# Altium PCB PCB1.PcbDoc
Units mil, origin at the board's own origin, x right, y up, seen from the top; angles counter-clockwise.
Board outline 4195 x 4250 mil, 2 copper layers (Top Layer, Bottom Layer); 64 components, 61 nets, 198 pads, 4 vias.
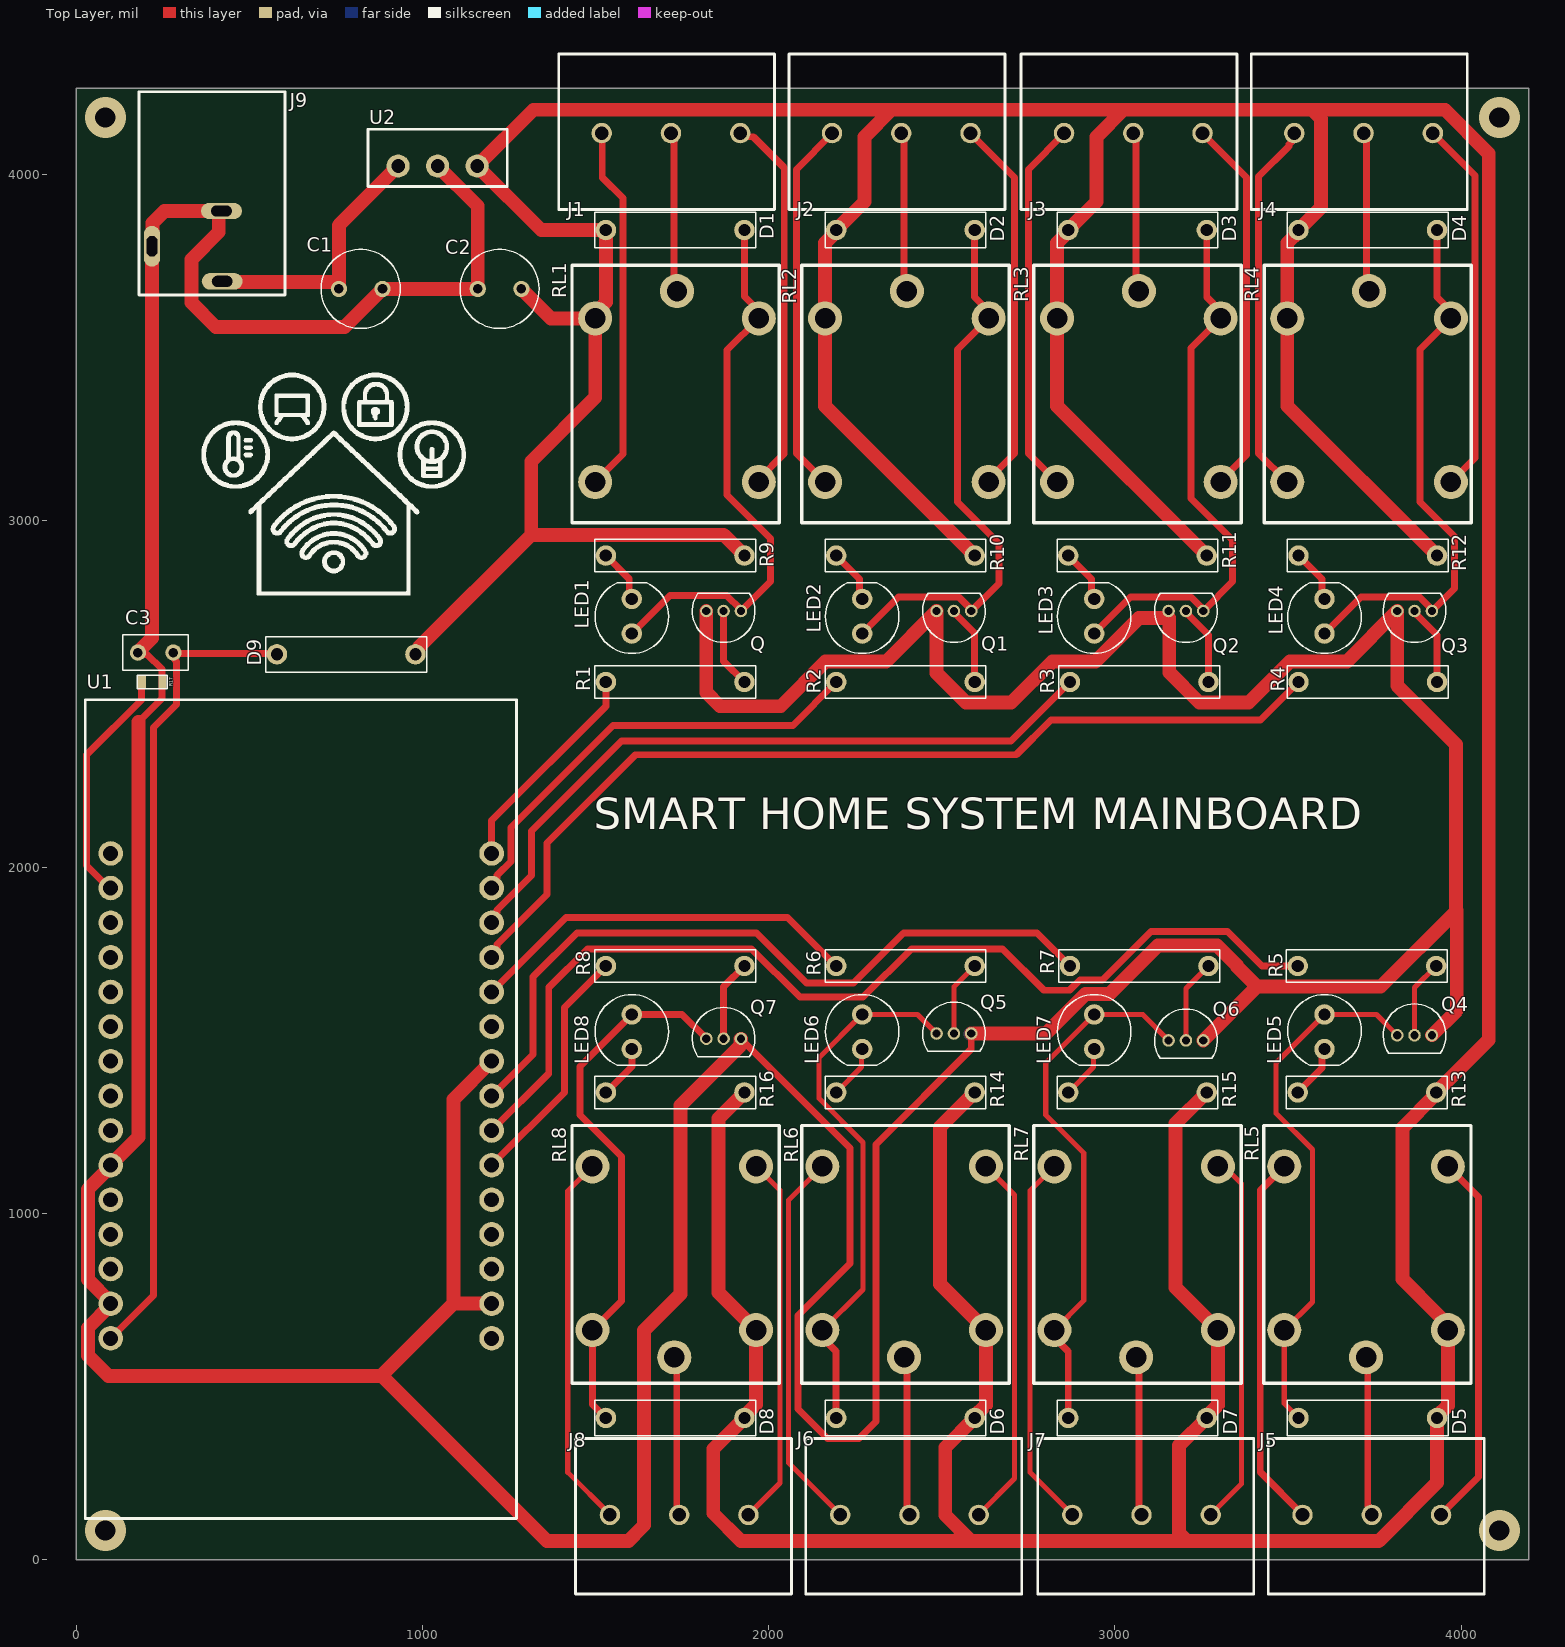
[diagram p0: Top Layer view]
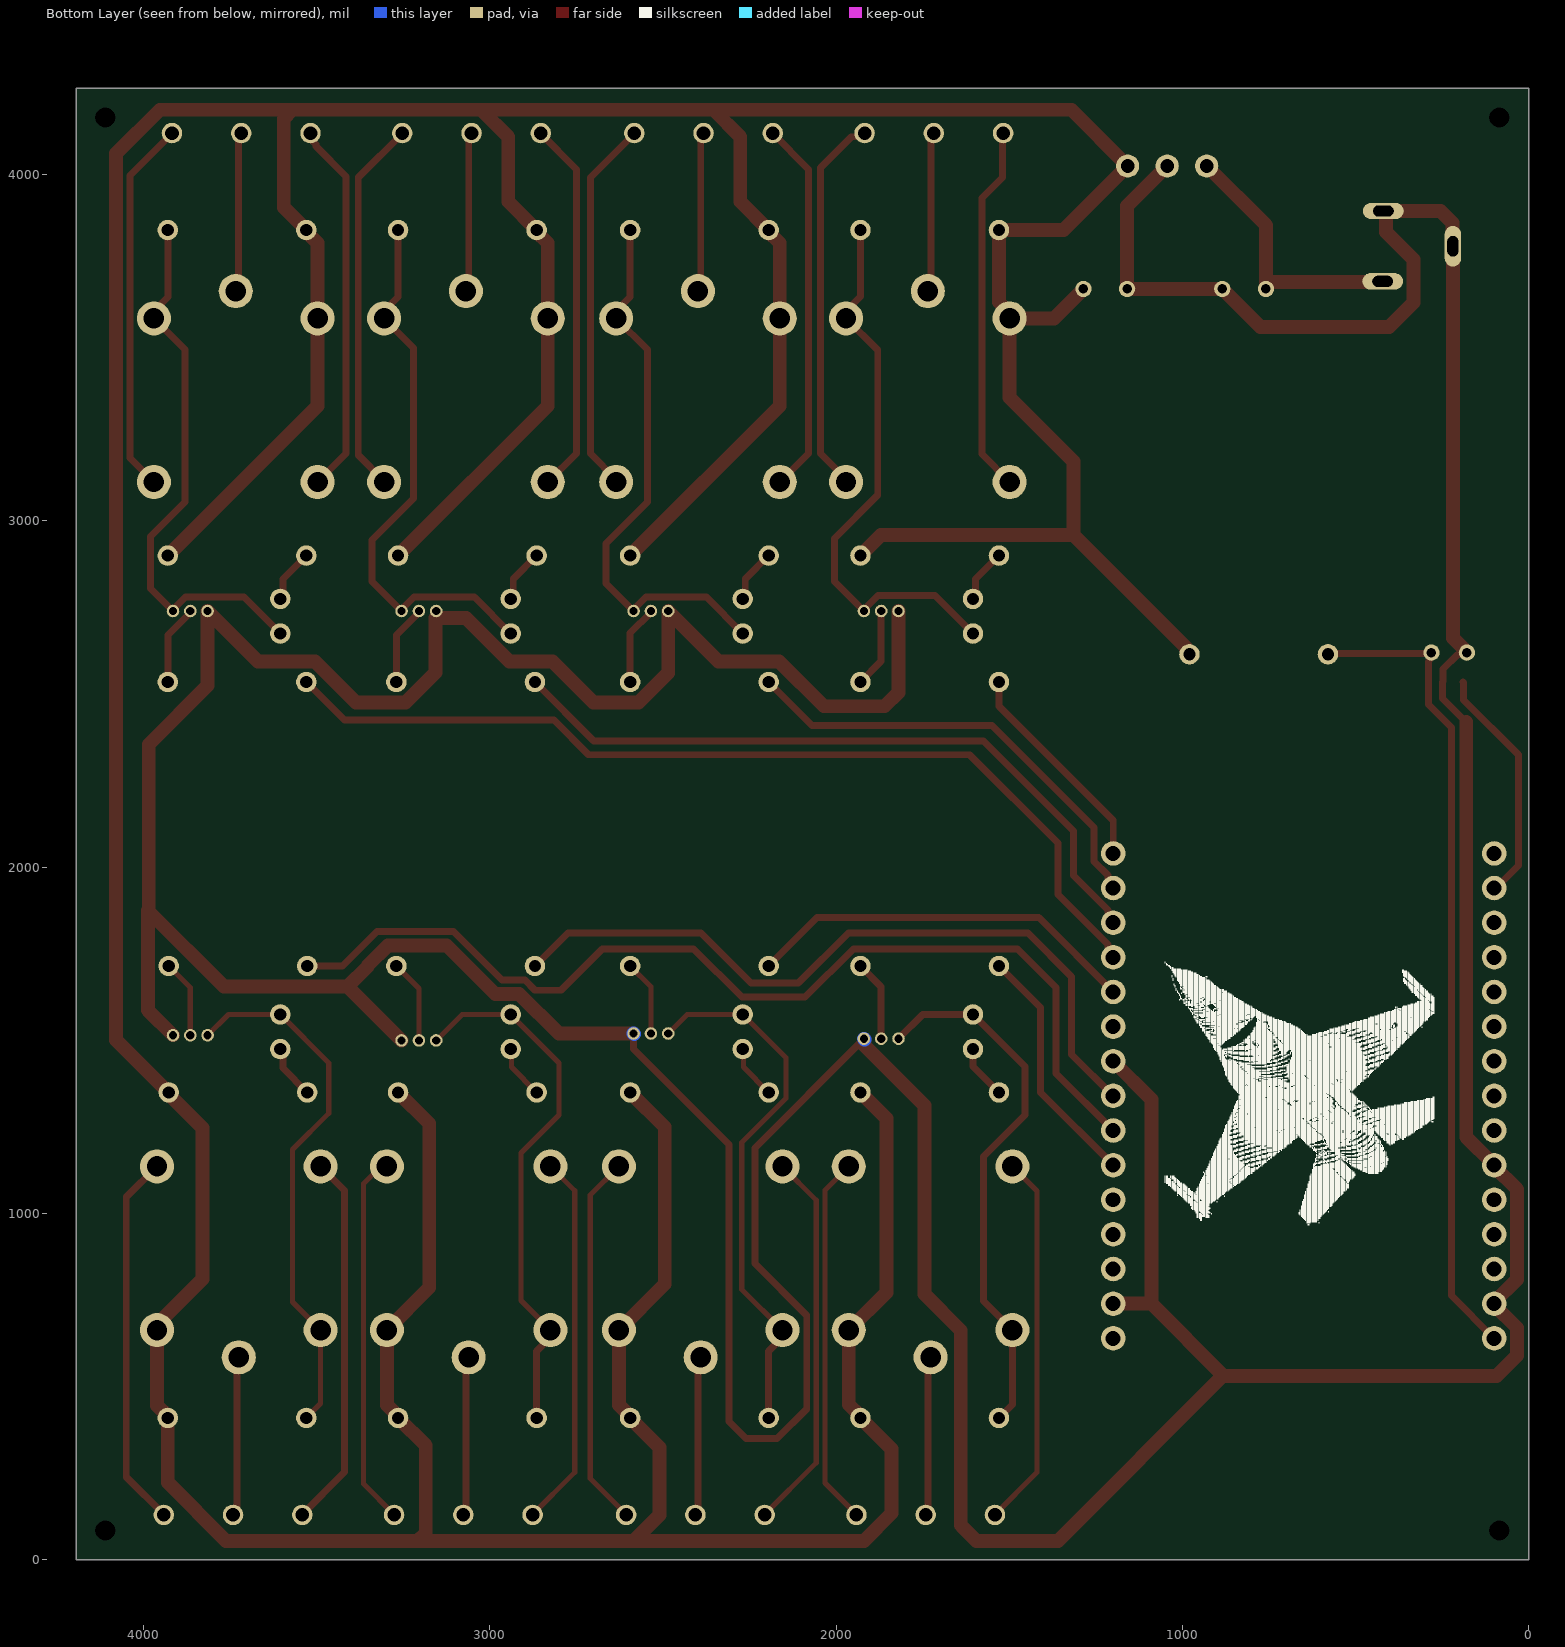
[diagram p1: Bottom Layer view, seen from below]
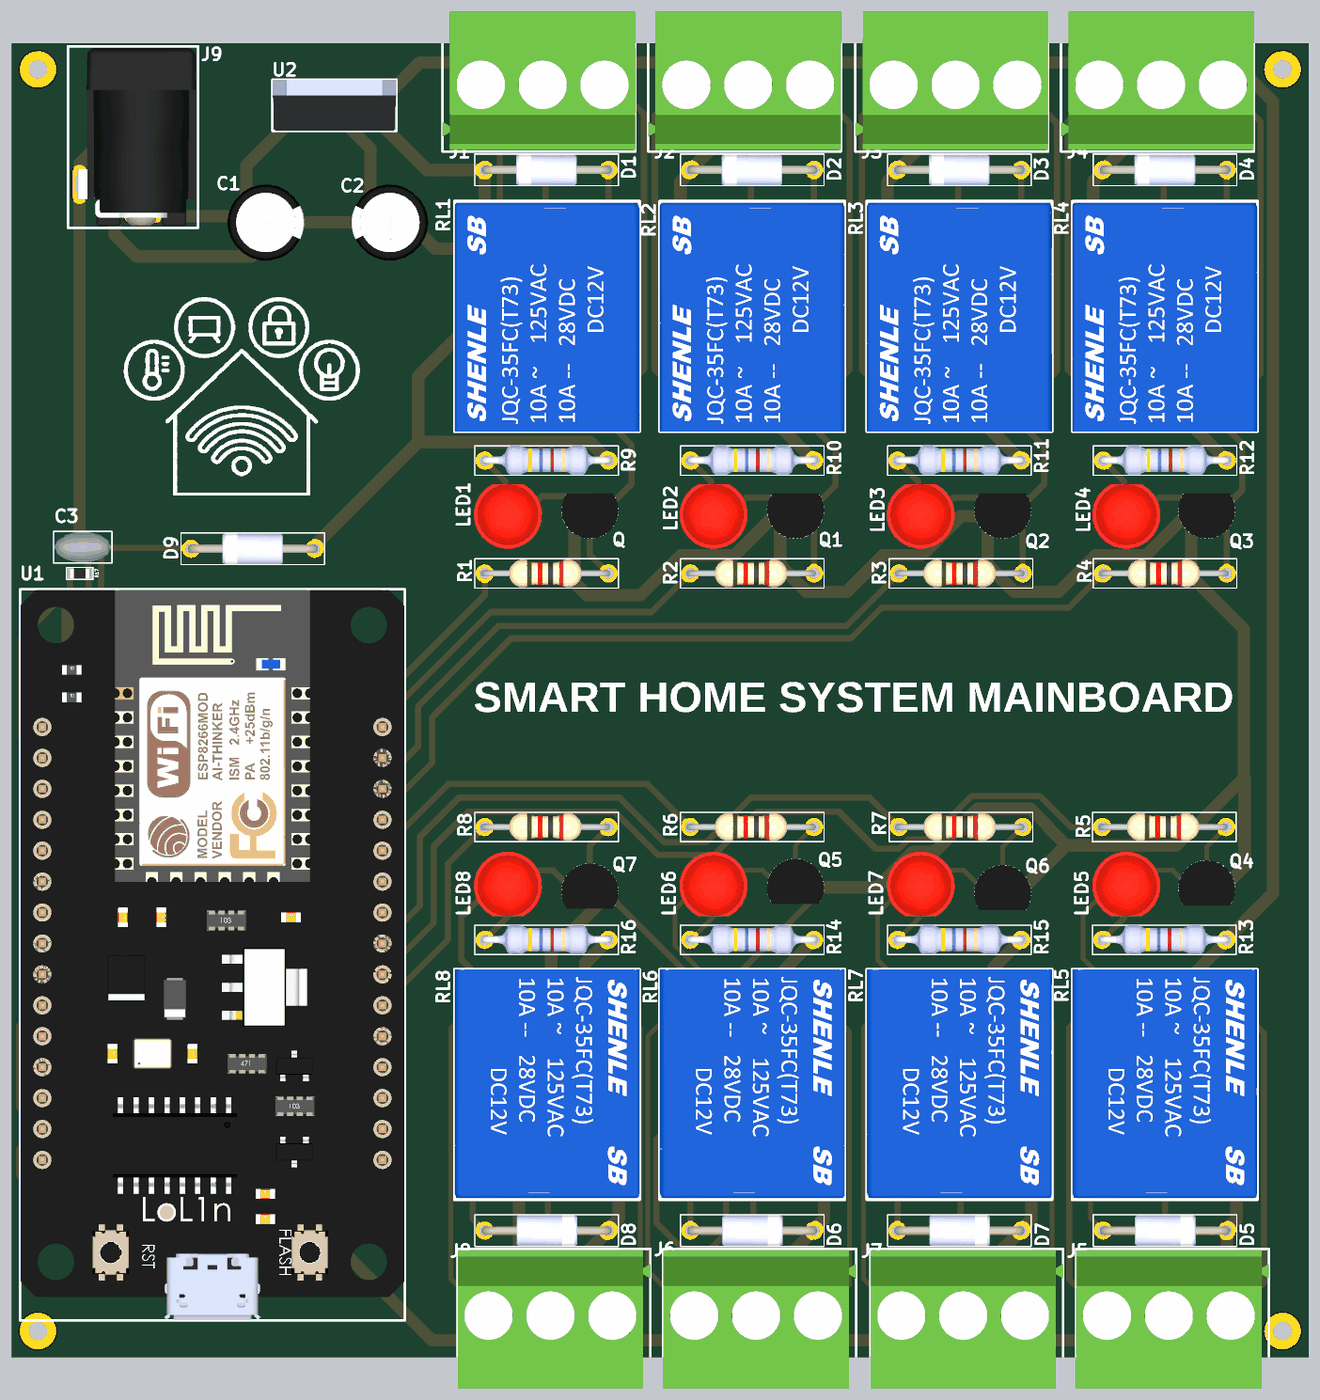
[diagram p2: 3D render of the assembled board from above, using the file's embedded part models]

## Layer stack, top to bottom
Top Solder: solder mask 0.4, Solder Resist, Dk 3.5
Top Layer: signal copper 1.4
Dielectric 1: dielectric 12.6, FR-4, Dk 4.8
Bottom Layer: signal copper 1.4
Bottom Solder: solder mask 0.4, Solder Resist, Dk 3.5

## Board outline
0,0 0,4250 4195,4250 4195,0

## Design rules (kind name [scope] priority, off if disabled: settings)
Clearance [All] p1: gap=10 ignorepadtopadclearanceinfootprint=FALSE except(0: Arc-Hole Track-Hole SMDPad-Hole THPad-Hole Via-Hole Fill-Hole Poly-Hole Region-Hole Text-Hole)
MinimumSolderMaskSliver [All] p1: minsoldermaskwidth=2
PolygonConnect [All] p1: connectstyle=Relief reliefconductorwidth=10 reliefentries=4 polygonreliefangle="90 Angle" airgapwidth=10
RoutingVias [All] p1: holewidth=28 width=50 viastyle="Through Hole" minholewidth=28 minwidth=50 maxholewidth=28 maxwidth=50
SilkToSilkClearance [All] p1: silktosilkclearance=0
SilkToSolderMaskClearance [IsPad] p1: minsilkscreentomaskgap=0 clearancetoexposedcopper=TRUE
SolderMaskExpansion [All] p1: expansion=4 istentingtop=FALSE
Width [All] p1: maxlimit=80 minlimit=10 preferedwidth=10 minimp=50.000000 maximp=50.000000 favimp=50.000000
27 further rules are at their usual default settings.

## Components (designator, comment, footprint, x,y, rotation, side; value= is the part's Value field where it differs from the comment)
C1 "100uF" "CAP 100UF" 822.01,3670 r180 top
C2 "100uF" "CAP 100UF" 1222.99,3670 r0 top
C3 "100nF" "CAP 100nF" 230,2620 r0 top
D1 "1N4007" "DIODE - 1N4007" 1730,3840 r180 top
D2 "1N4007" "DIODE - 1N4007" 2395,3840 r180 top
D3 "1N4007" "DIODE - 1N4007" 3065,3840 r180 top
D4 "1N4007" "DIODE - 1N4007" 3730,3840 r180 top
D5 "1N4007" "DIODE - 1N4007" 3730,410 r0 top
D6 "1N4007" "DIODE - 1N4007" 2395,410 r0 top
D7 "1N4007" "DIODE - 1N4007" 3065,410 r0 top
D8 "1N4007" "DIODE - 1N4007" 1730,410 r0 top
D9 "1N4007" "DIODE - 1N4007" 780,2615 r180 top
J1 "HEADER x3" "HEADER X3" 1717.95,4120 r0 top
J2 "HEADER x3" "HEADER X3" 2382.95,4120 r0 top
J3 "HEADER x3" "HEADER X3" 3052.95,4120 r0 top
J4 "HEADER x3" "HEADER X3" 3717.95,4120 r0 top
J5 "HEADER x3" "HEADER X3" 3741.57,130 r180 top
J6 "HEADER x3" "HEADER X3" 2406.57,130 r180 top
J7 "HEADER x3" "HEADER X3" 3076.57,130 r180 top
J8 "HEADER x3" "HEADER X3" 1741.57,130 r180 top
J9 "JACK" JACK 319.67,3794.3 r90 top
LED1 "LED RED" LED 1605,2725 r270 top
LED2 "LED RED" LED 2270,2725 r270 top
LED3 "LED RED" LED 2940,2725 r270 top
LED4 "LED RED" LED 3605,2725 r270 top
LED5 "LED RED" LED 3605,1525 r90 top
LED6 "LED RED" LED 2270,1525 r90 top
LED7 "LED RED" LED 2940,1525 r90 top
LED8 "LED RED" LED 1605,1525 r90 top
Q "BC547" "BC547 - NPN" 1870.01,2740 r180 top
Q1 "BC547" "BC547 - NPN" 2535.01,2740 r180 top
Q2 "BC547" "BC547 - NPN" 3205.01,2740 r180 top
Q3 "BC547" "BC547 - NPN" 3865,2740 r180 top
Q4 "BC547" "BC547 - NPN" 3865,1515 r0 top
Q5 "BC547" "BC547 - NPN" 2535,1520 r0 top
Q6 "BC547" "BC547 - NPN" 3205,1500 r0 top
Q7 "BC547" "BC547 - NPN" 1870,1505 r0 top
R1 "RES 1K OHM" "RES 1K OHM" 1730,2535 r0 top
R2 "RES 1K OHM" "RES 1K OHM" 2395,2535 r0 top
R3 "RES 1K OHM" "RES 1K OHM" 3070,2535 r0 top
R4 "RES 1K OHM" "RES 1K OHM" 3730,2535 r0 top
R5 "RES 1K OHM" "RES 1K OHM" 3727.5,1715 r0 top
R6 "RES 1K OHM" "RES 1K OHM" 2395,1715 r0 top
R7 "RES 1K OHM" "RES 1K OHM" 3070,1715 r0 top
R8 "RES 1K OHM" "RES 1K OHM" 1730,1715 r0 top
R9 "RES 470 OHM" "RES 470 OHM" 1730,2900 r0 top
R10 "RES 470 OHM" "RES 470 OHM" 2395,2900 r0 top
R11 "RES 470 OHM" "RES 470 OHM" 3065,2900 r0 top
R12 "RES 470 OHM" "RES 470 OHM" 3730,2900 r0 top
R13 "RES 470 OHM" "RES 470 OHM" 3727.5,1350 r0 top
R14 "RES 470 OHM" "RES 470 OHM" 2395,1350 r0 top
R15 "RES 470 OHM" "RES 470 OHM" 3065,1350 r0 top
R16 "RES 470 OHM" "RES 470 OHM" 1730,1350 r0 top
R17 "RES 0603" "RES 0603" 220,2535 r180 top
RL1 "Relay" RELAY 1735.37,3388.15 r90 top
RL2 "Relay" RELAY 2399.09,3388.15 r90 top
RL3 "Relay" RELAY 3069.09,3388.15 r90 top
RL4 "Relay" RELAY 3733.78,3388.15 r90 top
RL5 "Relay" RELAY 3725,860.59 r270 top
RL6 "Relay" RELAY 2391.22,860.59 r270 top
RL7 "Relay" RELAY 3061.22,860.59 r270 top
RL8 "Relay" RELAY 1727.5,860.59 r270 top
U1 "NodeMCU-ESP8266" NodeMCU-ESP8266 650,1340 r0 top
U2 "L7805" L7805 1044.17,4025 r0 top

## Footprints (in the part's own frame and the unit in brackets; to place one, negate y for a bottom-side part, rotate by r counter-clockwise, add the part's x,y. Pads: shape width x height; smd on the part's side, far side on the other; paste and mask are expansions set on the pad)
"BC547 - NPN" [mm]
  round 0.92 hole 0.6 mask+0.05: 1(0,0) 2(1.27,0) 3(-1.27,0)
  silkscreen extent -2.3,-1.32 2.3,2.3, body extent -2.35,-1.38 2.35,2.35, height 5.33
"CAP 100nF" [mm]
  round 1.2 hole 0.7 mask+0.05: 1(-1.3,0) 2(1.3,0)
  silkscreen extent -2.4,-1.3 2.4,1.3, body extent -2.35,-1.25 2.35,1.25, height 7.35
"CAP 100UF" [mm]
  round 1.2 hole 0.7 mask+0.05: 1(-1.6,0) 2(1.6,0)
  silkscreen extent -2.9,-2.9 2.9,2.9, body extent -3.15,-3.15 3.15,3.15, height 11.2
"DIODE - 1N4007" [mm]
  round 1.5 hole 0.9 mask+0.05: 1(-5.08,0) 2(5.08,0)
  silkscreen extent -5.9,-1.3 5.9,1.3, body extent -5.35,-1.25 5.35,1.25, height 3.58
"HEADER X3" [mm]
  round 1.5 hole 1 mask+0.05: 1(-5.08,0) 2(0,0) 3(5.08,0)
  silkscreen extent -8.24,-5.6 7.6,5.8, body extent -8.24,-5.48 7.6,5.88, height 18.4
JACK [mm]
  oval 3x1.2 hole 0.8 slot 1.5 at 0 deg: 2(-0.025,2.55)
  oval 1.2x3 hole 0.8 slot 1.5 at 90 deg: 3(2.558,-2.548) 4(-2.6,-2.6)
  silkscreen extent -3.6,-7.2 11.3,3.5, body extent -3.46,-7.02 11.16,2.75, height 10.78
L7805 [mm]
  round 1.7 hole 1 mask+0.05: 1(-2.9,0) 2(0,0) 3(2.9,0)
  silkscreen extent -5.1,-1.5 5.1,2.7, body extent -5.08,-1.49 5.08,2.7, height 21.75
LED [mm]
  round 1.5 hole 0.9 mask+0.05: 1(-1.27,0) 2(1.27,0)
  silkscreen extent -2.45,-2.7 2.73,2.7, body extent -2.5,-2.8 2.8,2.8, height 8.9
NodeMCU-ESP8266 [mm]
  round 1.8 hole 1.1 mask+0.05: 1(-13.97,17.78) 2(-13.97,15.24) 3(-13.97,12.7) 4(-13.97,10.16) 5(-13.97,7.62) 6(-13.97,5.08) 7(-13.97,2.54) 8(-13.97,0) 9(-13.97,-2.54) 10(-13.97,-5.08) 11(-13.97,-7.62) 12(-13.97,-10.16) 13(-13.97,-12.7) 14(-13.97,-15.24) 15(-13.97,-17.78) 16(13.97,-17.78) 17(13.97,-15.24) 18(13.97,-12.7) 19(13.97,-10.16) 20(13.97,-7.62) 21(13.97,-5.08) 22(13.97,-2.54) 23(13.97,0) 24(13.97,2.54) 25(13.97,5.08) 26(13.97,7.62) 27(13.97,10.16) 28(13.97,12.7) 29(13.97,15.24) 30(13.97,17.78)
  silkscreen extent -15.83,-31 15.8,29.05, body extent -15.77,-30.97 15.73,29.01, height 7.15
RELAY [mm]
  round 2.5 hole 1.5 mask+0.05: 1(5,6) 2(5,-6) 3(7,0) 4(-7,-6) 5(-7,6)
  silkscreen extent -10,-7.5 8.9,7.7, body extent -10,-7.5 8.8,7.7, height 15.11
"RES 1K OHM" [mm]
  round 1.5 hole 0.9 mask+0.05: 1(-5.08,0) 2(5.08,0)
  silkscreen extent -5.9,-1.2 5.9,1.2, body extent -5.43,-1.14 5.23,1.15, height 2.63
"RES 470 OHM" [mm]
  round 1.5 hole 0.9 mask+0.05: 1(-5.08,0) 2(5.08,0)
  silkscreen extent -5.9,-1.2 5.9,1.2, body extent -5.38,-1.17 5.38,1.23, height 2.41
"RES 0603" [mm]
  rect 0.6x0.9 smd mask+0.05: 1(-0.75,0) 2(0.75,0)
  silkscreen extent -1.1,-0.5 1.1,0.5, body extent -0.8,-0.4 0.8,0.4, height 0.45

## Part data
C1 C2: library part "CAP 100uF"
C3: library part "CAP 100nF"
D1 D2 D3 D4 D5 D6 D7 D8 D9: library part "Diode 1N4007", "1N4007 Rectifier Diode 1 A 1000 V DO-41 Axial 4007 1 amp 1000 Volt Electronic Silicon Diodes"
J1 J2 J3 J4 J5 J6 J7 J8: "TERM BLK 3POS SIDE ENT 3.5MM PCB"
J9: "5.5 x 2.1 mm DC güç jak soketi"
Q Q1 Q2 Q3 Q4 Q5 Q6 Q7: library part "NPN Transistor BC547", "NPN Transistor BC547"
R1 R2 R3 R4 R5 R6 R7 R8 R9 R10 R11 R12 R13 R14 R15 R16: "Resistor thru-hole Axial 0.4"
RL1 RL2 RL3 RL4 RL5 RL6 RL7 RL8: "SPDT 5V RELAY"
U1: "HiLetgo 3pcs ESP8266 NodeMCU CP2102 ESP-12E Development Board Open Source Serial Module Works Great for Arduino IDE/Micropython (Large)"
U2: "5V REG"

## Via types
v1: diameter 118.11/23.62 (per signal layer), hole 59.06, Top Layer to Bottom Layer, 4 vias

## Nets (pads, with @x,y where several pads share a name; then routed paths per layer and width w, separated by ;. In a path a pad name is that pad's centre, name@x,y a point inside that pad or via, vN(x,y) a via of type N, cw(c..) or ccw(c..) an arc to the next point about the centre after c; other vN are vias at no path point)
+5V: C2.2 D1.2 D2.2 D3.2 D4.2 D5.2 D6.2 D7.2 D8.2 D9.1 R9.2 R10.2 R11.2 R12.2 R13.2 R14.2 R15.2 R16.2 RL1.1 RL2.1 RL3.1 RL4.1 RL5.1 RL6.1 RL7.1 RL8.1 U2.3 | length 20893.4
  Top Layer w40: D9.1 980,2620.16 989.53,2629.68 989.53,2634.53 1314.53,2959.53 ; C2.2 1370.98,3585 RL1.1 ; R16.2 1855,1275 1855,772.46 RL8.1 1963.72,448.88 1930,415.16 D8.2 1840,320 1840,134.68 1919.68,55 2584.68,55 ; R9.2 1870.47,2959.53 1314.53,2959.53 ; R14.2 2495,1250 2495,796.18 RL6.1 2627.44,447.6 2595,415.16 D6.2 2510,325 2510,129.68 2584.68,55 ; R10.2 2162.87,3332.13 RL2.1 2162.87,3802.72 2195,3834.84 D2.2 2276.84,3921.84 2276.84,4109.21 2355.03,4187.4 ; R15.2 3175,1260 3175,786.18 RL7.1 3297.44,447.6 3265,415.16 D7.2 3185,330 3185,78.43 3208.43,55 ; R11.2 2832.87,3332.13 RL3.1 2832.87,3802.72 2865,3834.84 D3.2 2946.84,3921.84 2946.84,4109.21 3025.03,4187.4 ; R12.2 3497.56,3332.44 RL4.1 3497.56,3802.4 3530,3834.84 D4.2 3595,3905 3595,4161.57 3569.17,4187.4 ; 1314.53,2959.53 1314.53,3172.05 1499.15,3356.67 RL1.1 ; RL1.1 1499.15,3600.81 1530,3631.66 D1.2 1343.35,3840 U2.3 1320.75,4187.4 2355.03,4187.4 ; 2355.03,4187.4 3025.03,4187.4 ; 2584.68,55 3208.43,55 ; 3025.03,4187.4 3569.17,4187.4 ; 3208.43,55 3761.89,55 3930,223.11 D5.2 3930,415.16 3961.22,446.38 RL5.1 3961.22,679.55 3932.01,708.76 3830,810.77 3830,1247.34 3927.5,1344.84 R13.2 4079.21,1501.71 4079.21,4060.79 3952.6,4187.4 3569.17,4187.4
+9V: C1.2 J9.4 U2.1 | length 763.6
  Top Layer w40: J9.4 423.41,3690.55 463.97,3690.55 464.52,3690 C1.2@759.02,3690 ; C1.2 C1.2@759.02,3690 ; U2.1 759.02,3854.02 C1.2@759.02,3690
GND: C1.1 C2.1 C3.1 J9.2 J9.3 Q1.2 Q2.2 Q3.2 Q4.2 Q5.2 Q6.2 Q7.2 Q.2 R17.1 U1.10 U1.14 U1.17 U1.24 U2.2 | length 18771
  Top Layer w20: C3.1 184.03,2614.79 205.21,2614.79 247.72,2572.28 247.72,2536.81 R17.1 248.85,2534.32 248.85,2487.28 180.78,2419.22 ; Q7.2 1929.02,1495.98 2235,1190 2235,855.76 2085,705.76 2085,435.82 2170.34,350.47 2260.47,350.47 2310,400 2310,1200 2585,1475 Q5.2
  Top Layer w40: C3.1 178.82,2621.96 188.43,2631.57 219.27,2662.41 J9.2 220.66,3794.7 220.66,3860.66 255,3895 J9.3@415.54,3895 ; 180.78,2419.22 180.78,1220.78 104.1,1144.1 100,1144.1 100,1135.9 34.57,1070.47 34.57,809.53 100,744.1 U1.14 100,735.9 34.57,670.47 34.57,590.43 93.43,531.57 881.57,531.57 882.5,532.5 ; J9.3 J9.3@415.54,3895 ; U2.2 1160,3909.17 C2.1 C1.1 775,3560 403.43,3560 332.97,3630.46 332.97,3755.59 412.2,3834.81 412.2,3891.65 J9.3@415.54,3895 ; U1.17 1090,740 ; U1.24 1090,1330 1090,740 ; Q.2 1820.01,2504.99 1860,2465 2035,2465 2164.53,2594.53 2339.53,2594.53 Q1.2 2485.01,2560.81 2570.34,2475.47 2700.47,2475.47 2819.53,2594.53 2943.71,2594.53 3069.18,2720 3155.01,2720 3156.89,2720 3156.89,2562.01 3243.43,2475.47 3386.29,2475.47 3505.34,2594.53 3669.53,2594.53 Q3.2 3815,2525 3985,2355 3985,1872.97 ; Q7.2 1918.11,1503.11 1918.11,1485.07 1745,1311.96 1745,767.5 1640.23,662.73 1640.23,100.23 1635,95 1595,55 1360,55 882.5,532.5 ; Q5.2 2800.82,1520 2915.34,1634.53 2984.53,1634.53 3124.53,1774.53 3294.66,1774.53 3352.56,1716.62 3352.56,1713.38 3410.47,1655.47 ; Q6.2 3410.47,1655.47 ; Q4.2 3987.03,1587.03 3987.03,1875 3985,1872.97 ; 882.5,532.5 1090,740 ; 3410.47,1655.47 3767.5,1655.47 3985,1872.97
  Bottom Layer w40: U1.17 U1.17@1200,744.1 ; Q7.2@1918.11,1503.11 Q7.2 ; Q5.2@2583.11,1518.11 Q5.2
NetC3_2: C3.2 D9.2 U1.15 | length 2363.2
  Top Layer w20: U1.15 223.62,763.62 223.62,2403.62 290,2470 290,2594.66 286.39,2598.27 286.39,2614.79 C3.2 283.68,2617.5 577.5,2617.5 D9.2
NetD1_1: D1.1 LED1.2 Q.3 RL1.2 | length 1623.6
  Top Layer w20: LED1.2 1715,2785 1878.9,2785 1920.01,2743.9 Q.3 2005,2824.99 2005,2950 1880,3075 1880,3493.41 RL1.2 1971.59,3606.22 1930,3647.82 D1.1
NetD2_1: D2.1 LED2.2 Q1.3 RL2.2 | length 1614.3
  Top Layer w20: LED2.2 2375,2780 2548.9,2780 2585.01,2743.9 Q1.3 2665,2819.99 2665,2935 2545,3055 2545,3494.69 RL2.2 2635.31,3606.22 2595,3646.54 D2.1
NetD3_1: D3.1 LED3.2 Q2.3 RL3.2 | length 1614.3
  Top Layer w20: LED3.2 3045,2780 3218.9,2780 3255.01,2743.9 Q2.3 3340,2824.99 3340,2945 3220,3065 3220,3499.69 RL3.2 3305.31,3606.22 3265,3646.54 D3.1
NetD4_1: D4.1 LED4.2 Q3.3 RL4.2 | length 1594.1
  Top Layer w20: LED4.2 3710,2780 3878.9,2780 3915,2743.9 Q3.3 3980,2805 3980,2955 3880.47,3054.53 3880.47,3495.47 RL4.2 3970,3606.22 3930,3646.22 D4.1
NetD5_1: D5.1 LED5.2 Q4.3 RL5.2 | length 1552.1
  Top Layer w15: D5.1 3488.78,451.22 RL5.2 3570,744.96 3570,1185 3465,1290 3465,1435 LED5.2 3755,1575 Q4.3
NetD6_1: D6.1 LED6.2 Q5.3 RL6.2 | length 1572.6
  Top Layer w15: RL6.2 2272.5,781.24 2272.5,1205.53 2145,1333.03 2145,1450 LED6.2 2430,1575 Q5.3
  Top Layer w20: RL6.2 2155,642.52 2195,602.52 D6.1
NetD7_1: D7.1 LED7.2 Q6.3 RL7.2 | length 1566.4
  Top Layer w15: RL7.2 2910,748.74 2910,1175 2800,1285 2800,1435 LED7.2 3080,1575 Q6.3
  Top Layer w20: RL7.2 2825,642.52 2865,602.52 D7.1
NetD8_1: D8.1 LED8.2 Q7.3 RL8.2 | length 1571.5
  Top Layer w20: D8.1 1491.28,448.72 RL8.2 1575,747.46 1575,1165 1455,1285 1455,1425 LED8.2 1750,1575 Q7.3
NetJ1_1: J1.1 RL1.5 | length 1065.6
  Top Layer w20: RL1.5 1579.53,3192.93 1579.53,3932.33 1519.53,3992.33 J1.1@1519.53,4120
NetJ1_2: J1.2 RL1.3 | length 463.5
  Top Layer w20: J1.2 1726.66,4111.29 1726.66,3672.45 RL1.3
NetJ1_3: J1.3 RL1.4 | length 1107.9
  Top Layer w20: J1.3@1916.38,4120 1926.86,4109.51 1955.49,4109.51 2045,4020 2045,3195 1971.59,3121.59 RL1.4
NetJ2_1: J2.1 RL2.5 | length 1085.1
  Top Layer w20: RL2.5 2080,3195.43 2080,4015.47 J2.1@2184.53,4120
NetJ2_2: J2.2 RL2.3 | length 462.9
  Top Layer w20: J2.2 2391.02,4111.93 2391.02,3671.81 RL2.3
NetJ2_3: J2.3 RL2.4 | length 1091.7
  Top Layer w20: J2.3@2581.38,4120 2710,3991.38 2710,3195 2635.31,3120.31 RL2.4
NetJ3_1: J3.1 RL3.5 | length 1085.1
  Top Layer w20: RL3.5 2750,3195.43 2750,4015.47 J3.1@2854.53,4120
NetJ3_2: J3.2 RL3.3 | length 462.9
  Top Layer w20: J3.2 3061.02,4111.93 3061.02,3671.81 RL3.3
NetJ3_3: J3.3 RL3.4 | length 1091.7
  Top Layer w20: J3.3@3251.38,4120 3380,3991.38 3380,3190 3305.31,3115.31 RL3.4
NetJ4_1: J4.1 RL4.5 | length 1084.9
  Top Layer w20: RL4.5 3415,3195.12 3415,3995 3502.1,4082.1 3502.1,4087.75 3519.53,4105.17 J4.1@3519.53,4120
NetJ4_2: J4.2 RL4.3 | length 462.8
  Top Layer w20: J4.2 3725.87,4112.09 3725.87,3671.65 RL4.3
NetJ4_3: J4.3 RL4.4 | length 1087
  Top Layer w20: J4.3@3916.38,4120 4039.21,3997.17 4039.21,3181.77 RL4.4
NetJ5_1: J5.1 RL5.5 | length 1088.5
  Top Layer w20: J5.1@3940,130 4050,240 4050,1047.4 RL5.5
NetJ5_2: J5.2 RL5.3 | length 461.9
  Top Layer w20: RL5.3 3730,580 3730,156.4 3741.57,144.83 J5.2
NetJ5_3: J5.3 RL5.4 | length 1086
  Top Layer w20: RL5.4 3419.57,1066.97 3419.57,253.58 J5.3@3543.15,130
NetJ6_1: J6.1 RL6.5 | length 1083.9
  Top Layer w15: J6.1@2605,130 2710,235 2710,1053.62 RL6.5
NetJ6_2: J6.2 RL6.3 | length 461.4
  Top Layer w20: RL6.3 2398.9,577.32 2398.9,137.68 J6.2
NetJ6_3: J6.3 RL6.4 | length 1109
  Top Layer w15: RL6.4 2057.5,1038.68 2057.5,280.65 J6.3@2208.15,130
NetJ7_1: J7.1 RL7.5 | length 1081.7
  Top Layer w15: J7.1@3275,130 3365,220 3365,1086.21 3315.03,1136.18 RL7.5
NetJ7_2: J7.2 RL7.3 | length 461.4
  Top Layer w20: RL7.3 3068.9,577.32 3068.9,137.68 J7.2
NetJ7_3: J7.3 RL7.4 | length 1086.2
  Top Layer w15: RL7.4 2755,1066.18 2755,253.15 J7.3@2878.15,130
NetJ8_1: J8.1 RL8.5 | length 1073
  Top Layer w15: J8.1@1940,130 2032.5,222.5 2032.5,1067.4 RL8.5
NetJ8_2: J8.2 RL8.3 | length 460.8
  Top Layer w20: RL8.3 1734.54,577.96 1734.54,137.04 J8.2
NetJ8_3: J8.3 RL8.4 | length 1086.7
  Top Layer w15: RL8.4 1420,1064.9 1420,253.15 J8.3@1543.15,130
NetLED1_1: LED1.1 R9.1 | length 156.1
  Top Layer w20: R9.1 1597.53,2832.47 1597.53,2782.47 LED1.1
NetLED2_1: LED2.1 R10.1 | length 156.1
  Top Layer w20: R10.1 2262.53,2832.47 2262.53,2782.47 LED2.1
NetLED3_1: LED3.1 R11.1 | length 156.1
  Top Layer w20: R11.1 2932.53,2832.47 2932.53,2782.47 LED3.1
NetLED4_1: LED4.1 R12.1 | length 156.1
  Top Layer w20: R12.1 3597.53,2832.47 3597.53,2782.47 LED4.1
NetLED5_1: LED5.1 R13.1 | length 157.1
  Top Layer w20: R13.1 3597.53,1420.03 3597.53,1467.53 LED5.1
NetLED6_1: LED6.1 R14.1 | length 156.1
  Top Layer w15: R14.1 2267.97,1422.97 2267.97,1472.97 LED6.1
NetLED7_1: LED7.1 R15.1 | length 156.1
  Top Layer w15: R15.1 2937.97,1422.97 2937.97,1472.97 LED7.1
NetLED8_1: LED8.1 R16.1 | length 156.1
  Top Layer w20: R16.1 1605,1425 LED8.1
NetQ1_1: Q1.1 R2.2 | length 229.9
  Top Layer w20: Q1.1 2535.01,2736.1 2595,2676.11 R2.2
NetQ2_1: Q2.1 R3.2 | length 231.9
  Top Layer w20: Q2.1 3205.01,2736.1 3270,2671.11 R3.2
NetQ3_1: Q3.1 R4.2 | length 231.9
  Top Layer w20: Q3.1 3865,2736.1 3930,2671.1 R4.2
NetQ4_1: Q4.1 R5.2 | length 225.9
  Top Layer w15: Q4.1 3865,1652.5 R5.2
NetQ5_1: Q5.1 R6.2 | length 219.9
  Top Layer w15: Q5.1 2535,1655 R6.2
NetQ6_1: Q6.1 R7.2 | length 241.9
  Top Layer w15: Q6.1 3205,1650 R7.2
NetQ7_1: Q7.1 R8.2 | length 234.9
  Top Layer w20: Q7.1 1870,1655 R8.2
NetQ_1: Q.1 R1.2 | length 229.9
  Top Layer w20: Q.1 1870.01,2594.99 R1.2
NetR17_2: R17.2 U1.2 | length 693.4
  Top Layer w20: U1.2 95,1940 30,2005 30,2325 188.66,2483.66 188.66,2533.19 R17.2
RELAY1: R1.1 U1.30 | length 631.7
  Top Layer w20: U1.30 1200,2135 1530,2465 R1.1
RELAY2: R2.1 U1.29 | length 1311.8
  Top Layer w20: U1.29 1200,1953.76 1215.47,1969.23 1215.47,1977.07 1255.43,2017.04 1255.43,2115.43 1550,2410 2070,2410 R2.1
RELAY3: R3.1 U1.28 | length 2045.7
  Top Layer w20: U1.28 1200,1853.76 1215.47,1869.23 1215.47,1877.07 1315,1976.61 1315,2105 1575,2365 2700,2365 R3.1
RELAY4: R4.1 U1.27 | length 2758.9
  Top Layer w20: U1.27 1200,1753.76 1215.47,1769.23 1215.47,1777.07 1360,1921.61 1360,2070 1615,2325 2715,2325 2815,2425 3420,2425 R4.1
RELAY5: R6.1 U1.26 | length 1142
  Top Layer w20: U1.26 1415,1855 2055,1855 R6.1
RELAY6: R7.1 U1.23 | length 2154.9
  Top Layer w20: U1.23 1320,1460 1320,1683.91 1446.09,1810 1965,1810 2109.53,1665.47 2245.47,1665.47 2390,1810 2775,1810 R7.1
RELAY7: R5.1 U1.22 | length 2966.4
  Top Layer w20: U1.22 1365,1405 1365,1652.63 1476.9,1764.53 1950.52,1764.53 2090.04,1625 2272.54,1625 2412.07,1764.53 2675.47,1764.53 2795,1645 2869.25,1645 2898.77,1674.53 2964.53,1674.53 3104.53,1814.53 3325.47,1814.53 3425,1715 R5.1
RELAY8: R8.1 U1.21 | length 711.7
  Top Layer w20: U1.21 1410,1350 1410,1595 R8.1
pads on no net: U1.1 U1.3 U1.4 U1.5 U1.6 U1.7 U1.8 U1.9 U1.11 U1.12 U1.13 U1.16 U1.18 U1.19 U1.20 U1.25
copper on no net:
  other v1: 85,85 4110,85 85,4165 4110,4165

## Silkscreen, mask and mechanical layers (free items; w line width, h text height)
Top Overlay:
  drawing of 2781 lines, arcs and shapes, not listed
  text "SMART HOME SYSTEM MAINBOARD" at 1495,2080 h157.48
Bottom Overlay:
  drawing of 2097 lines, arcs and shapes, not listed